# Altium PCB MiniSystem-Pcb-All.PcbDoc (part 7 of 8) (continued)
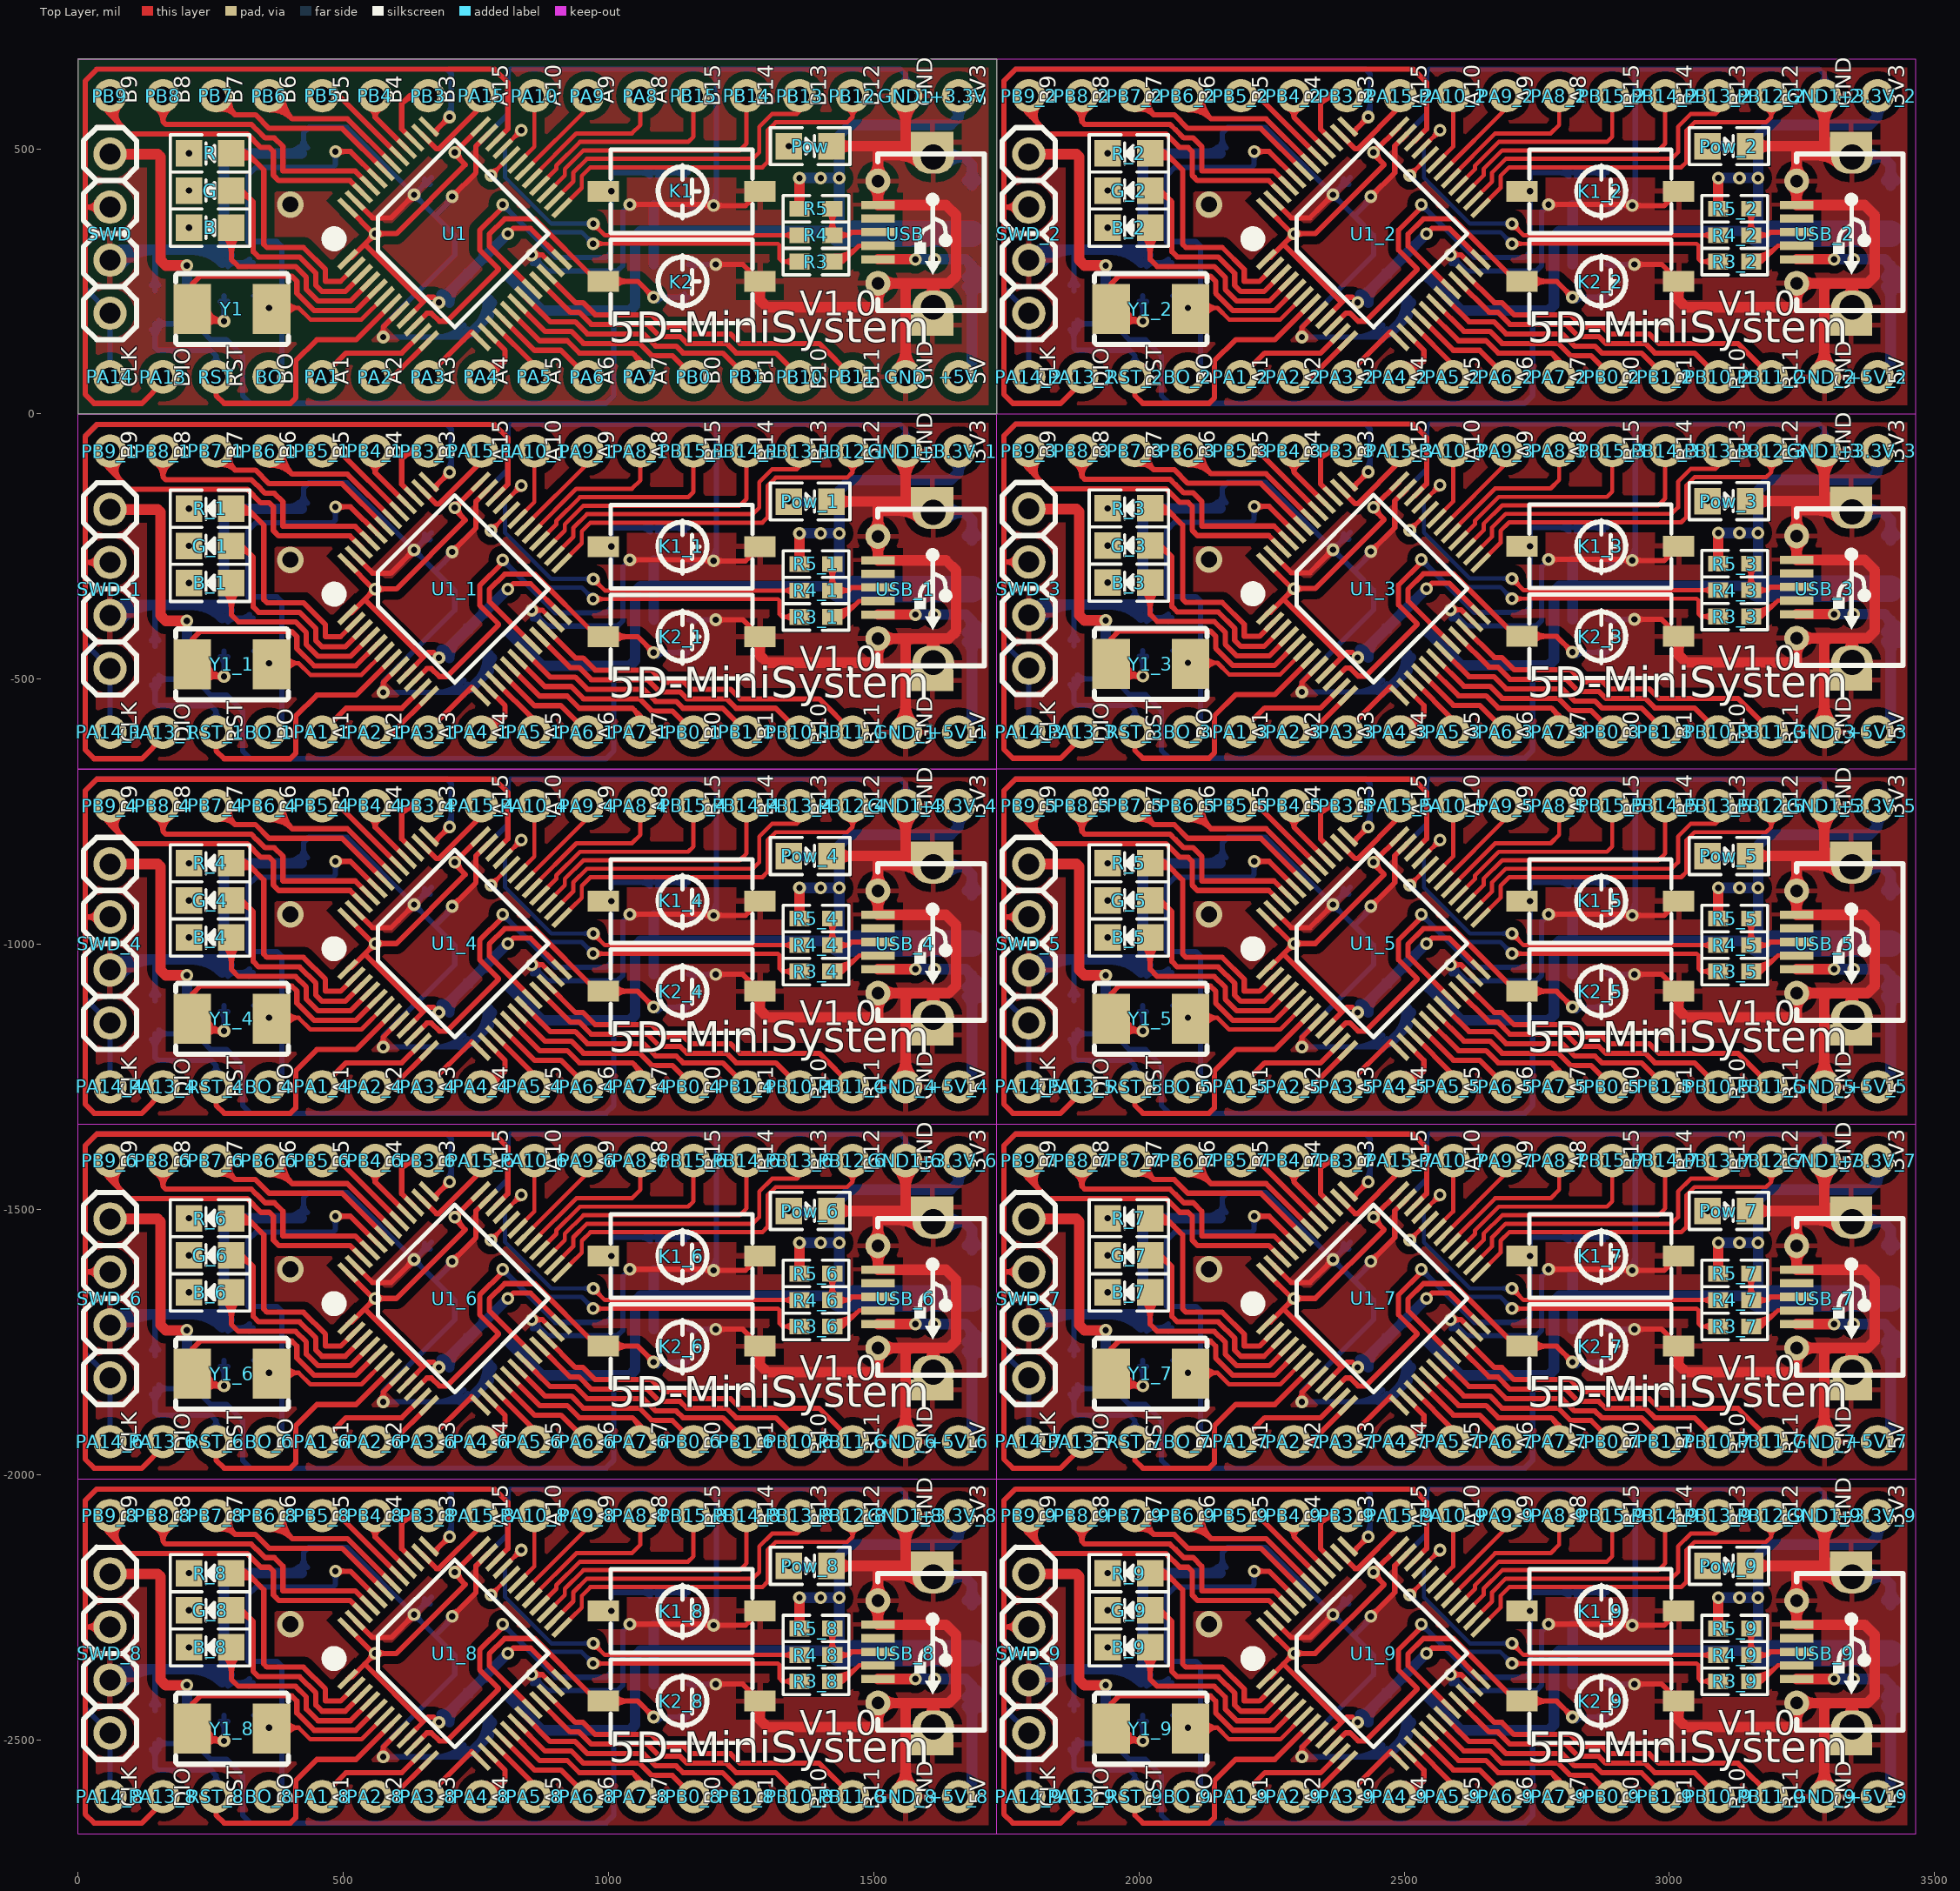
[diagram p0: Top Layer view]
## Nets (pads, with @x,y where several pads share a name; then routed paths per layer and width w, separated by ;. In a path a pad name is that pad's centre, name@x,y a point inside that pad or via, vN(x,y) a via of type N, cw(c..) or ccw(c..) an arc to the next point about the centre after c; other vN are vias at no path point) (continued)
2435.78,-2113.67 v1(2432.28,-2117.17) ; 1792.28,-1937.87 1792.28,-1817.87 1745.28,-1770.87 1745.28,-1379.87 1767.28,-1357.87 2427.28,-1357.87 2435.78,-1366.37 2435.78,-1444.38 v1(2432.28,-1447.87) ; 1792.28,-1268.58 1792.28,-1148.58 1745.28,-1101.58 1745.28,-710.58 1767.28,-688.58 2427.28,-688.58 2435.78,-697.08 2435.78,-775.09 v1(2432.28,-778.58) ; 1792.28,-599.29 1792.28,-479.29 1745.28,-432.29 1745.28,-41.29 1767.28,-19.29 2427.28,-19.29 2435.78,-27.79 2435.78,-105.8 v1(2432.28,-109.29) ; 1792.28,70 1792.28,190 1745.28,237 1745.28,628 1767.28,650 2427.28,650 2435.78,641.5 2435.78,563.5 v1(2432.28,560) ; 1870.21,-2518.24 cw(c1853.14,-2535.31) 1877.28,-2535.31 cw(c1901.43,-2535.31) 1884.35,-2518.24 ; 1870.21,-2434.09 ccw(c1853.14,-2417.02) 1877.28,-2417.02 ccw(c1901.43,-2417.02) 1884.35,-2434.09 ; 1870.21,-1848.95 cw(c1853.14,-1866.02) 1877.28,-1866.02 cw(c1901.43,-1866.02) 1884.35,-1848.95 ; 1870.21,-1764.8 ccw(c1853.14,-1747.73) 1877.28,-1747.73 ccw(c1901.43,-1747.73) 1884.35,-1764.8 ; 1870.21,-1179.65 cw(c1853.14,-1196.72) 1877.28,-1196.72 cw(c1901.43,-1196.72) 1884.35,-1179.65 ; 1870.21,-1095.51 ccw(c1853.14,-1078.44) 1877.28,-1078.44 ccw(c1901.43,-1078.44) 1884.35,-1095.51 ; 1870.21,-510.36 cw(c1853.14,-527.43) 1877.28,-527.43 cw(c1901.43,-527.43) 1884.35,-510.36 ; 1870.21,-426.22 ccw(c1853.14,-409.15) 1877.28,-409.15 ccw(c1901.43,-409.15) 1884.35,-426.22 ; 1870.21,158.93 cw(c1853.14,141.86) 1877.28,141.86 cw(c1901.43,141.86) 1884.35,158.93 ; 1870.21,243.07 ccw(c1853.14,260.14) 1877.28,260.14 ccw(c1901.43,260.14) 1884.35,243.07 ; 1877.28,-2445.17 1877.28,-2367.17 ; 1877.28,-1775.87 1877.28,-1697.87 ; 1877.28,-1106.58 1877.28,-1028.58 ; 1877.28,-437.29 1877.28,-359.29 ; 1877.28,232 1877.28,310 ; 1884.35,-2514.24 cw(c1901.43,-2531.31) 1901.43,-2507.17 cw(c1901.43,-2483.02) 1884.35,-2500.09 ; 1884.35,-1844.95 cw(c1901.43,-1862.02) 1901.43,-1837.87 cw(c1901.43,-1813.73) 1884.35,-1830.8 ; 1884.35,-1175.65 cw(c1901.43,-1192.72) 1901.43,-1168.58 cw(c1901.43,-1144.44) 1884.35,-1161.51 ; 1884.35,-506.36 cw(c1901.43,-523.43) 1901.43,-499.29 cw(c1901.43,-475.15) 1884.35,-492.22 ; 1884.35,162.93 cw(c1901.43,145.86) 1901.43,170 cw(c1901.43,194.14) 1884.35,177.07 ; 1930.21,-2514.24 ccw(c1913.14,-2531.31) 1913.14,-2507.17 ccw(c1913.14,-2483.02) 1930.21,-2500.09 ; 1930.21,-1844.95 ccw(c1913.14,-1862.02) 1913.14,-1837.87 ccw(c1913.14,-1813.73) 1930.21,-1830.8 ; 1930.21,-1175.65 ccw(c1913.14,-1192.72) 1913.14,-1168.58 ccw(c1913.14,-1144.44) 1930.21,-1161.51 ; 1930.21,-506.36 ccw(c1913.14,-523.43) 1913.14,-499.29 ccw(c1913.14,-475.15) 1930.21,-492.22 ; 1930.21,162.93 ccw(c1913.14,145.86) 1913.14,170 ccw(c1913.14,194.14) 1930.21,177.07 ; 1937.28,-2507.17 1877.28,-2507.17 1877.28,-2552.17 1882.28,-2557.17 1982.28,-2557.17 1992.28,-2567.17 ; 1937.28,-2445.17 1965.28,-2445.17 1967.28,-2447.17 1967.28,-2522.17 1982.28,-2537.17 2012.28,-2537.17 2042.28,-2567.17 2042.28,-2642.17 2057.28,-2657.17 2727.28,-2657.17 2742.28,-2642.17 2742.28,-2482.17 ; 1937.28,-1837.87 1877.28,-1837.87 1877.28,-1882.87 1882.28,-1887.87 1982.28,-1887.87 1992.28,-1897.87 1992.28,-1937.87 ; 1937.28,-1775.87 1965.28,-1775.87 1967.28,-1777.87 1967.28,-1852.87 1982.28,-1867.87 2012.28,-1867.87 2042.28,-1897.87 2042.28,-1972.87 2057.28,-1987.87 2727.28,-1987.87 2742.28,-1972.87 2742.28,-1812.87 ; 1937.28,-1168.58 1877.28,-1168.58 1877.28,-1213.58 1882.28,-1218.58 1982.28,-1218.58 1992.28,-1228.58 ; 1937.28,-1106.58 1965.28,-1106.58 1967.28,-1108.58 1967.28,-1183.58 1982.28,-1198.58 2012.28,-1198.58 2042.28,-1228.58 2042.28,-1303.58 2057.28,-1318.58 2727.28,-1318.58 2742.28,-1303.58 2742.28,-1143.58 ; 1937.28,-499.29 1877.28,-499.29 1877.28,-544.29 1882.28,-549.29 1982.28,-549.29 1992.28,-559.29 ; 1937.28,-437.29 1965.28,-437.29 1967.28,-439.29 1967.28,-514.29 1982.28,-529.29 2012.28,-529.29 2042.28,-559.29 2042.28,-634.29 2057.28,-649.29 2727.28,-649.29 2742.28,-634.29 2742.28,-474.29 ; 1937.28,170 1877.28,170 1877.28,125 1882.28,120 1982.28,120 1992.28,110 ; 1937.28,232 1965.28,232 1967.28,230 1967.28,155 1982.28,140 2012.28,140 2042.28,110 2042.28,35 2057.28,20 2727.28,20 2742.28,35 2742.28,195 ; 1944.35,-2452.24 cw(c1961.43,-2469.31) 1961.43,-2445.17 cw(c1961.43,-2421.02) 1944.35,-2438.09 ; 1944.35,-1782.95 cw(c1961.43,-1800.02) 1961.43,-1775.87 cw(c1961.43,-1751.73) 1944.35,-1768.8 ; 1944.35,-1113.65 cw(c1961.43,-1130.72) 1961.43,-1106.58 cw(c1961.43,-1082.44) 1944.35,-1099.51 ; 1944.35,-444.36 cw(c1961.43,-461.43) 1961.43,-437.29 cw(c1961.43,-413.15) 1944.35,-430.22 ; 1944.35,224.93 cw(c1961.43,207.86) 1961.43,232 cw(c1961.43,256.14) 1944.35,239.07 ; 1981.95,-2582.77 ccw(c1975.34,-2567.17) 1992.28,-2567.17 ; 1981.95,-1913.48 ccw(c1975.34,-1897.88) 1992.28,-1897.88 ccw(c2009.23,-1897.88) 2002.62,-1913.48 ; 1981.95,-1244.19 ccw(c1975.34,-1228.58) 1992.28,-1228.58 ; 1981.95,-574.89 ccw(c1975.34,-559.29) 1992.28,-559.29 ; 1981.95,94.4 ccw(c1975.34,110) 1992.28,110 ; 1992.28,-2607.17 1992.28,-2567.17 ; 1992.28,-1268.58 1992.28,-1228.58 ; 1992.28,-599.29 1992.28,-559.29 ; 1992.28,70 1992.28,110 ; 2000.21,-2465.24 cw(c1983.14,-2482.31) 2007.28,-2482.31 cw(c2031.43,-2482.31) 2014.35,-2465.24 ; 2000.21,-1795.95 cw(c1983.14,-1813.02) 2007.28,-1813.02 cw(c2031.43,-1813.02) 2014.35,-1795.95 ; 2000.21,-1126.65 cw(c1983.14,-1143.72) 2007.28,-1143.72 cw(c2031.43,-1143.72) 2014.35,-1126.65 ; 2000.21,-457.36 cw(c1983.14,-474.43) 2007.28,-474.43 cw(c2031.43,-474.43) 2014.35,-457.36 ; 2000.21,211.93 cw(c1983.14,194.86) 2007.28,194.86 cw(c2031.43,194.86) 2014.35,211.93 ; v1@2002.33,-2497.22 ccw(c1990.38,-2485.27) 2007.28,-2485.27 ccw(c2024.18,-2485.27) v1@2012.23,-2497.22 ; v1@2002.33,-1827.92 ccw(c1990.38,-1815.97) 2007.28,-1815.97 ccw(c2024.18,-1815.97) v1@2012.23,-1827.92 ; v1@2002.33,-1158.63 ccw(c1990.38,-1146.68) 2007.28,-1146.68 ccw(c2024.18,-1146.68) v1@2012.23,-1158.63 ; v1@2002.33,-489.34 ccw(c1990.38,-477.39) 2007.28,-477.39 ccw(c2024.18,-477.39) v1@2012.23,-489.34 ; v1@2002.33,179.95 ccw(c1990.38,191.9) 2007.28,191.9 ccw(c2024.18,191.9) v1@2012.23,179.95 ; 2002.62,-2582.77 cw(c2009.23,-2567.17) 1992.28,-2567.17 ; 2002.62,-1244.19 cw(c2009.23,-1228.58) 1992.28,-1228.58 ; 2002.62,-574.89 cw(c2009.23,-559.29) 1992.28,-559.29 ; 2002.62,94.4 cw(c2009.23,110) 1992.28,110 ; v1(2007.28,-2502.17) 2007.28,-2454.17 ; 2007.28,-2392.17 2062.28,-2392.17 ; v1(2007.28,-1832.87) 2007.28,-1784.87 ; 2007.28,-1722.87 2062.28,-1722.87 ; v1(2007.28,-1163.58) 2007.28,-1115.58 ; 2007.28,-1053.58 2062.28,-1053.58 ; v1(2007.28,-494.29) 2007.28,-446.29 ; 2007.28,-384.29 2062.28,-384.29 ; v1(2007.28,175) 2007.28,223 ; 2007.28,285 2062.28,285 ; 2014.35,-2399.24 cw(c2031.43,-2416.31) 2031.43,-2392.17 cw(c2031.43,-2368.02) 2014.35,-2385.09 ; 2014.35,-1729.95 cw(c2031.43,-1747.02) 2031.43,-1722.87 cw(c2031.43,-1698.73) 2014.35,-1715.8 ; 2014.35,-1060.65 cw(c2031.43,-1077.72) 2031.43,-1053.58 cw(c2031.43,-1029.44) 2014.35,-1046.51 ; 2014.35,-391.36 cw(c2031.43,-408.43) 2031.43,-384.29 cw(c2031.43,-360.15) 2014.35,-377.22 ; 2014.35,277.93 cw(c2031.43,260.86) 2031.43,285 cw(c2031.43,309.14) 2014.35,292.07 ; 2055.21,-2399.24 ccw(c2038.14,-2416.31) 2038.14,-2392.17 ccw(c2038.14,-2368.02) 2055.21,-2385.09 ; 2055.21,-1729.95 ccw(c2038.14,-1747.02) 2038.14,-1722.87 ccw(c2038.14,-1698.73) 2055.21,-1715.8 ; 2055.21,-1060.65 ccw(c2038.14,-1077.72) 2038.14,-1053.58 ccw(c2038.14,-1029.44) 2055.21,-1046.51 ; 2055.21,-391.36 ccw(c2038.14,-408.43) 2038.14,-384.29 ccw(c2038.14,-360.15) 2055.21,-377.22 ; 2055.21,277.93 ccw(c2038.14,260.86) 2038.14,285 ccw(c2038.14,309.14) 2055.21,292.07 ; 2092.28,-2607.17 2116.28,-2583.17 2116.28,-2361.17 2107.28,-2352.17 2052.28,-2352.17 2052.28,-2227.17 2067.28,-2212.17 2212.28,-2212.17 2217.28,-2207.17 v1(2217.28,-2182.17) ; 2092.28,-1937.87 2116.28,-1913.87 2116.28,-1691.87 2107.28,-1682.87 2052.28,-1682.87 2052.28,-1557.87 2067.28,-1542.87 2212.28,-1542.87 2217.28,-1537.87 v1(2217.28,-1512.87) ; 2092.28,-1268.58 2116.28,-1244.58 2116.28,-1022.58 2107.28,-1013.58 2052.28,-1013.58 2052.28,-888.58 2067.28,-873.58 2212.28,-873.58 2217.28,-868.58 v1(2217.28,-843.58) ; 2092.28,-599.29 2116.28,-575.29 2116.28,-353.29 2107.28,-344.29 2052.28,-344.29 2052.28,-219.29 2067.28,-204.29 2212.28,-204.29 2217.28,-199.29 v1(2217.28,-174.29) ; 2092.28,70 2116.28,94 2116.28,316 2107.28,325 2052.28,325 2052.28,450 2067.28,465 2212.28,465 2217.28,470 v1(2217.28,495) ; 2150.21,-2175.09 ccw(c2133.14,-2158.02) 2157.28,-2158.02 ccw(c2181.43,-2158.02) 2164.35,-2175.09 ; 2150.21,-1505.8 ccw(c2133.14,-1488.73) 2157.28,-1488.73 ccw(c2181.43,-1488.73) 2164.35,-1505.8 ; 2150.21,-836.51 ccw(c2133.14,-819.44) 2157.28,-819.44 ccw(c2181.43,-819.44) 2164.35,-836.51 ; 2150.21,-167.22 ccw(c2133.14,-150.15) 2157.28,-150.15 ccw(c2181.43,-150.15) 2164.35,-167.22 ; 2150.21,502.07 ccw(c2133.14,519.14) 2157.28,519.14 ccw(c2181.43,519.14) 2164.35,502.07 ; 2153.58,-2185.87 2157.28,-2182.17 2157.28,-2147.17 2167.28,-2137.17 2238.99,-2137.17 v1(2365.64,-2263.81) ; 2153.58,-1516.57 2157.28,-1512.87 2157.28,-1477.87 2167.28,-1467.87 2238.99,-1467.87 v1(2365.64,-1594.52) ; 2153.58,-847.28 2157.28,-843.58 2157.28,-808.58 2167.28,-798.58 2238.99,-798.58 v1(2365.64,-925.23) ; 2153.58,-177.99 2157.28,-174.29 2157.28,-139.29 2167.28,-129.29 2238.99,-129.29 v1(2365.64,-255.94) ; 2153.58,491.3 2157.28,495 2157.28,530 2167.28,540 2238.99,540 v1(2365.64,413.36) ; v1@2212.33,-2187.12 cw(c2200.38,-2199.06) 2217.28,-2199.06 cw(c2234.18,-2199.06) v1@2222.23,-2187.12 ; v1@2212.33,-1517.82 cw(c2200.38,-1529.77) 2217.28,-1529.77 cw(c2234.18,-1529.77) v1@2222.23,-1517.82 ; v1@2212.33,-848.53 cw(c2200.38,-860.48) 2217.28,-860.48 cw(c2234.18,-860.48) v1@2222.23,-848.53 ; v1@2212.33,-179.24 cw(c2200.38,-191.19) 2217.28,-191.19 cw(c2234.18,-191.19) v1@2222.23,-179.24 ; v1@2212.33,490.05 cw(c2200.38,478.1) 2217.28,478.1 cw(c2234.18,478.1) v1@2222.23,490.05 ; v1@2302.33,-2527.22 ccw(c2290.38,-2515.27) 2307.28,-2515.27 ccw(c2324.18,-2515.27) 2312.23,-2527.22 ccw(c2324.18,-2515.27) 2324.18,-2532.17 ccw(c2324.18,-2549.06) v1@2312.23,-2537.12 ; v1@2302.33,-1857.92 ccw(c2290.38,-1845.97) 2307.28,-1845.97 ccw(c2324.18,-1845.97) 2312.23,-1857.92 ccw(c2324.18,-1845.97) 2324.18,-1862.87 ccw(c2324.18,-1879.77) v1@2312.23,-1867.82 ; v1@2302.33,-1188.63 ccw(c2290.38,-1176.68) 2307.28,-1176.68 ccw(c2324.18,-1176.68) 2312.23,-1188.63 ccw(c2324.18,-1176.68) 2324.18,-1193.58 ccw(c2324.18,-1210.48) v1@2312.23,-1198.53 ; v1@2302.33,-519.34 ccw(c2290.38,-507.39) 2307.28,-507.39 ccw(c2324.18,-507.39) 2312.23,-519.34 ccw(c2324.18,-507.39) 2324.18,-524.29 ccw(c2324.18,-541.19) v1@2312.23,-529.24 ; v1@2302.33,149.95 ccw(c2290.38,161.9) 2307.28,161.9 ccw(c2324.18,161.9) 2312.23,149.95 ccw(c2324.18,161.9) 2324.18,145 ccw(c2324.18,128.1) v1@2312.23,140.05 ; 2336.12,-2293.32 v1(2365.64,-2263.81) ; 2336.12,-1624.03 v1(2365.64,-1594.52) ; 2336.12,-954.74 v1(2365.64,-925.23) ; 2336.12,-285.45 v1(2365.64,-255.94) ; 2336.12,383.84 v1(2365.64,413.36) ; 2385.61,-2233.83 cw(c2361.47,-2233.83) 2378.54,-2250.91 cw(c2395.61,-2267.98) 2395.61,-2243.83 ; 2385.61,-1564.54 cw(c2361.47,-1564.54) 2378.54,-1581.61 cw(c2395.61,-1598.69) 2395.61,-1574.54 ; 2385.61,-895.25 cw(c2361.47,-895.25) 2378.54,-912.32 cw(c2395.61,-929.39) 2395.61,-905.25 ; 2385.61,-225.96 cw(c2361.47,-225.96) 2378.54,-243.03 cw(c2395.61,-260.1) 2395.61,-235.96 ; 2385.61,443.33 cw(c2361.47,443.33) 2378.54,426.26 cw(c2395.61,409.19) 2395.61,433.33 ; 2398.44,-2231.01 v1(2365.64,-2263.81) ; 2398.44,-1561.71 v1(2365.64,-1594.52) ; 2398.44,-892.42 v1(2365.64,-925.23) ; 2398.44,-223.13 v1(2365.64,-255.94) ; 2398.44,446.16 v1(2365.64,413.36) ; 2405.21,-2532.17 ccw(c2405.21,-2455.09) 2459.71,-2509.59 ; 2405.21,-1862.87 ccw(c2405.21,-1785.8) 2459.71,-1840.3 ; 2405.21,-1193.58 ccw(c2405.21,-1116.51) 2459.71,-1171.01 ; 2405.21,-524.29 ccw(c2405.21,-447.22) 2459.71,-501.72 ; 2405.21,145 ccw(c2405.21,222.07) 2459.71,167.57 ; v1(2412.28,-2467.17) v1@2414.78,-2464.67 ; v1(2412.28,-1797.87) v1@2414.78,-1795.37 ; v1(2412.28,-1128.58) v1@2414.78,-1126.08 ; v1(2412.28,-459.29) v1@2414.78,-456.79 ; v1(2412.28,210) v1@2414.78,212.5 ; 2421.8,-2287.65 ccw(c2401.31,-2267.17) v1@2430.28,-2267.17 ; 2421.8,-1618.36 ccw(c2401.31,-1597.87) v1@2430.28,-1597.87 ; 2421.8,-949.07 ccw(c2401.31,-928.58) v1@2430.28,-928.58 ; 2421.8,-279.78 ccw(c2401.31,-259.29) v1@2430.28,-259.29 ; 2421.8,389.51 ccw(c2401.31,410) v1@2430.28,410 ; v1@2427.33,-2112.22 ccw(c2406.94,-2091.83) 2435.78,-2091.83 ; v1@2427.33,-1442.92 ccw(c2406.94,-1422.53) 2435.78,-1422.53 ; v1@2427.33,-773.63 ccw(c2406.94,-753.24) 2435.78,-753.24 ; v1@2427.33,-104.34 ccw(c2406.94,-83.95) 2435.78,-83.95 ; v1@2427.33,564.95 ccw(c2406.94,585.34) 2435.78,585.34 ; 2429.35,-2532.17 ccw(c2429.35,-2479.24) 2466.78,-2516.66 ; 2429.35,-1862.87 ccw(c2429.35,-1809.94) 2466.78,-1847.37 ; 2429.35,-1193.58 ccw(c2429.35,-1140.65) 2466.78,-1178.08 ; 2429.35,-524.29 ccw(c2429.35,-471.36) 2466.78,-508.79 ; 2429.35,145 ccw(c2429.35,197.93) 2466.78,160.5 ; v1@2437.28,-2272.17 2405.64,-2303.81 ; v1(2437.28,-2267.17) 2482.28,-2222.17 2482.28,-2172.17 2542.28,-2112.17 2542.28,-2032.17 2547.28,-2027.17 2937.28,-2027.17 ; v1@2437.28,-2260.17 ccw(c2437.28,-2243.27) 2449.23,-2255.22 ccw(c2461.18,-2267.17) v1@2444.28,-2267.17 ; v1@2437.28,-1602.87 2405.64,-1634.52 ; v1(2437.28,-1597.87) 2482.28,-1552.87 2482.28,-1502.87 2542.28,-1442.87 2542.28,-1362.87 2547.28,-1357.87 2937.28,-1357.87 ; v1@2437.28,-1590.87 ccw(c2437.28,-1573.97) 2449.23,-1585.92 ccw(c2461.18,-1597.87) v1@2444.28,-1597.87 ; v1@2437.28,-933.58 2405.64,-965.23 ; v1(2437.28,-928.58) 2482.28,-883.58 2482.28,-833.58 2542.28,-773.58 2542.28,-693.58 2547.28,-688.58 2937.28,-688.58 ; v1@2437.28,-921.58 ccw(c2437.28,-904.68) 2449.23,-916.63 ccw(c2461.18,-928.58) v1@2444.28,-928.58 ; v1@2437.28,-264.29 2405.64,-295.94 ; v1(2437.28,-259.29) 2482.28,-214.29 2482.28,-164.29 2542.28,-104.29 2542.28,-24.29 2547.28,-19.29 2937.28,-19.29 ; v1@2437.28,-252.29 ccw(c2437.28,-235.39) 2449.23,-247.34 ccw(c2461.18,-259.29) v1@2444.28,-259.29 ; v1@2437.28,405 2405.64,373.36 ; v1(2437.28,410) 2482.28,455 2482.28,505 2542.28,565 2542.28,645 2547.28,650 2937.28,650 ; v1@2437.28,417 ccw(c2437.28,433.9) 2449.23,421.95 ccw(c2461.18,410) v1@2444.28,410 ; 2445.92,-2532.17 cw(c2445.92,-2551.66) 2459.71,-2537.88 ; 2445.92,-1862.87 cw(c2445.92,-1882.37) 2459.71,-1868.58 ; 2445.92,-1193.58 cw(c2445.92,-1213.08) 2459.71,-1199.29 ; 2445.92,-524.29 cw(c2445.92,-543.79) 2459.71,-530 ; 2445.92,145 cw(c2445.92,125.5) 2459.71,139.29 ; 2462.28,-2417.17 2502.28,-2377.17 ; 2462.28,-2407.17 ccw(c2462.28,-2383.02) 2479.35,-2400.09 ccw(c2496.43,-2417.17) 2472.28,-2417.17 ; 2462.28,-1747.87 2502.28,-1707.87 ; 2462.28,-1737.87 ccw(c2462.28,-1713.73) 2479.35,-1730.8 ccw(c2496.43,-1747.87) 2472.28,-1747.87 ; 2462.28,-1078.58 2502.28,-1038.58 ; 2462.28,-1068.58 ccw(c2462.28,-1044.44) 2479.35,-1061.51 ccw(c2496.43,-1078.58) 2472.28,-1078.58 ; 2462.28,-409.29 2502.28,-369.29 ; 2462.28,-399.29 ccw(c2462.28,-375.15) 2479.35,-392.22 ccw(c2496.43,-409.29) 2472.28,-409.29 ; 2462.28,260 2502.28,300 ; 2462.28,270 ccw(c2462.28,294.14) 2479.35,277.07 ccw(c2496.43,260) 2472.28,260 ; 2473.85,-2523.73 2465.42,-2532.17 v1(2307.28,-2532.17) 2307.28,-2512.17 2442.28,-2377.17 2442.28,-2340.46 2405.64,-2303.81 ; 2473.85,-1854.44 2465.42,-1862.87 v1(2307.28,-1862.87) 2307.28,-1842.87 2442.28,-1707.87 2442.28,-1671.16 2405.64,-1634.52 ; 2473.85,-1185.15 2465.42,-1193.58 v1(2307.28,-1193.58) 2307.28,-1173.58 2442.28,-1038.58 2442.28,-1001.87 2405.64,-965.23 ; 2473.85,-515.86 2465.42,-524.29 v1(2307.28,-524.29) 2307.28,-504.29 2442.28,-369.29 2442.28,-332.58 2405.64,-295.94 ; 2473.85,153.43 2465.42,145 v1(2307.28,145) 2307.28,165 2442.28,300 2442.28,336.71 2405.64,373.36 ; 2492.28,-2377.17 cw(c2468.14,-2377.17) 2485.21,-2394.24 cw(c2502.28,-2411.31) 2502.28,-2387.17 ; 2492.28,-1707.87 cw(c2468.14,-1707.87) 2485.21,-1724.95 cw(c2502.28,-1742.02) 2502.28,-1717.87 ; 2492.28,-1038.58 cw(c2468.14,-1038.58) 2485.21,-1055.65 cw(c2502.28,-1072.72) 2502.28,-1048.58 ; 2492.28,-369.29 cw(c2468.14,-369.29) 2485.21,-386.36 cw(c2502.28,-403.43) 2502.28,-379.29 ; 2492.28,300 cw(c2468.14,300) 2485.21,282.93 cw(c2502.28,265.86) 2502.28,290 ; v1@2532.28,-2289.17 cw(c2532.28,-2306.06) 2544.23,-2294.12 cw(c2556.18,-2282.17) v1@2539.28,-2282.17 ; v1(2532.28,-2282.17) 2632.28,-2382.17 2727.28,-2382.17 2737.28,-2372.17 v1(2737.28,-2257.17) 2737.28,-2222.17 2817.56,-2222.17 2882.56,-2222.17 ; v1@2532.28,-1619.87 cw(c2532.28,-1636.77) 2544.23,-1624.82 cw(c2556.18,-1612.87) v1@2539.28,-1612.87 ; v1(2532.28,-1612.87) 2632.28,-1712.87 2727.28,-1712.87 2737.28,-1702.87 v1(2737.28,-1587.87) 2737.28,-1552.87 2817.56,-1552.87 2882.56,-1552.87 ; v1@2532.28,-950.58 cw(c2532.28,-967.48) 2544.23,-955.53 cw(c2556.18,-943.58) v1@2539.28,-943.58 ; v1(2532.28,-943.58) 2632.28,-1043.58 2727.28,-1043.58 2737.28,-1033.58 v1(2737.28,-918.58) 2737.28,-883.58 2817.56,-883.58 2882.56,-883.58 ; v1@2532.28,-281.29 cw(c2532.28,-298.19) 2544.23,-286.24 cw(c2556.18,-274.29) v1@2539.28,-274.29 ; v1(2532.28,-274.29) 2632.28,-374.29 2727.28,-374.29 2737.28,-364.29 v1(2737.28,-249.29) 2737.28,-214.29 2817.56,-214.29 2882.56,-214.29 ; v1@2532.28,388 cw(c2532.28,371.1) 2544.23,383.05 cw(c2556.18,395) v1@2539.28,395 ; v1(2532.28,395) 2632.28,295 2727.28,295 2737.28,305 v1(2737.28,420) 2737.28,455 2817.56,455 2882.56,455 ; v1@2587.28,-2384.17 cw(c2587.28,-2401.06) 2599.23,-2389.12 cw(c2611.18,-2377.17) v1@2594.28,-2377.17 ; v1@2587.28,-1714.87 cw(c2587.28,-1731.77) 2599.23,-1719.82 cw(c2611.18,-1707.87) v1@2594.28,-1707.87 ; v1@2587.28,-1045.58 cw(c2587.28,-1062.48) 2599.23,-1050.53 cw(c2611.18,-1038.58) v1@2594.28,-1038.58 ; v1@2587.28,-376.29 cw(c2587.28,-393.19) 2599.23,-381.24 cw(c2611.18,-369.29) v1@2594.28,-369.29 ; v1@2587.28,293 cw(c2587.28,276.1) 2599.23,288.05 cw(c2611.18,300) v1@2594.28,300 ; v1@2588.62,-2378.51 2617.28,-2407.17 2749.28,-2407.17 2759.28,-2397.17 2759.28,-2295.17 v1(2772.28,-2282.17) ; v1@2588.62,-1709.21 2617.28,-1737.87 2749.28,-1737.87 2759.28,-1727.87 2759.28,-1625.87 v1(2772.28,-1612.87) ; v1@2588.62,-1039.92 2617.28,-1068.58 2749.28,-1068.58 2759.28,-1058.58 2759.28,-956.58 v1(2772.28,-943.58) ; v1@2588.62,-370.63 2617.28,-399.29 2749.28,-399.29 2759.28,-389.29 2759.28,-287.29 v1(2772.28,-274.29) ; v1@2588.62,298.66 2617.28,270 2749.28,270 2759.28,280 2759.28,382 v1(2772.28,395) ; 2588.95,-2393.83 cw(c2588.95,-2430.05) 2614.56,-2404.44 ; 2588.95,-1724.54 cw(c2588.95,-1760.76) 2614.56,-1735.15 ; 2588.95,-1055.25 cw(c2588.95,-1091.46) 2614.56,-1065.86 ; 2588.95,-385.96 cw(c2588.95,-422.17) 2614.56,-396.57 ; 2588.95,283.33 cw(c2588.95,247.12) 2614.56,272.72 ; 2598.95,-2383.83 ccw(c2611.02,-2383.83) 2602.49,-2392.37 ; 2598.95,-1714.54 ccw(c2611.02,-1714.54) 2602.49,-1723.08 ; 2598.95,-1045.25 ccw(c2611.02,-1045.25) 2602.49,-1053.79 ; 2598.95,-375.96 ccw(c2611.02,-375.96) 2602.49,-384.5 ; 2598.95,293.33 ccw(c2611.02,293.33) 2602.49,284.8 ; v1@2732.33,-2262.12 cw(c2720.38,-2274.06) 2737.28,-2274.06 cw(c2754.18,-2274.06) v1@2742.23,-2262.12 ; v1@2732.33,-2252.22 ccw(c2720.38,-2240.27) 2737.28,-2240.27 ccw(c2754.18,-2240.27) v1@2742.23,-2252.22 ; v1@2732.33,-1592.82 cw(c2720.38,-1604.77) 2737.28,-1604.77 cw(c2754.18,-1604.77) v1@2742.23,-1592.82 ; v1@2732.33,-1582.92 ccw(c2720.38,-1570.97) 2737.28,-1570.97 ccw(c2754.18,-1570.97) v1@2742.23,-1582.92 ; v1@2732.33,-923.53 cw(c2720.38,-935.48) 2737.28,-935.48 cw(c2754.18,-935.48) v1@2742.23,-923.53 ; v1@2732.33,-913.63 ccw(c2720.38,-901.68) 2737.28,-901.68 ccw(c2754.18,-901.68) v1@2742.23,-913.63 ; v1@2732.33,-254.24 cw(c2720.38,-266.19) 2737.28,-266.19 cw(c2754.18,-266.19) v1@2742.23,-254.24 ; v1@2732.33,-244.34 ccw(c2720.38,-232.39) 2737.28,-232.39 ccw(c2754.18,-232.39) v1@2742.23,-244.34 ; v1@2732.33,415.05 cw(c2720.38,403.1) 2737.28,403.1 cw(c2754.18,403.1) v1@2742.23,415.05 ; v1@2732.33,424.95 ccw(c2720.38,436.9) 2737.28,436.9 ccw(c2754.18,436.9) v1@2742.23,424.95 ; 2810.49,-2229.24 ccw(c2793.42,-2246.31) 2793.42,-2222.17 ccw(c2793.42,-2198.02) 2810.49,-2215.09 ; 2810.49,-1559.95 ccw(c2793.42,-1577.02) 2793.42,-1552.87 ccw(c2793.42,-1528.73) 2810.49,-1545.8 ; 2810.49,-890.65 ccw(c2793.42,-907.72) 2793.42,-883.58 ccw(c2793.42,-859.44) 2810.49,-876.51 ; 2810.49,-221.36 ccw(c2793.42,-238.43) 2793.42,-214.29 ccw(c2793.42,-190.15) 2810.49,-207.22 ; 2810.49,447.93 ccw(c2793.42,430.86) 2793.42,455 ccw(c2793.42,479.14) 2810.49,462.07 ; v1@2817.56,-2457.17 2882.56,-2457.17 ; v1@2817.56,-1787.87 2882.56,-1787.87 ; v1@2817.56,-1118.58 2882.56,-1118.58 ; v1@2817.56,-449.29 2882.56,-449.29 ; v1@2817.56,220 2882.56,220 ; v1@2822.23,-2462.12 cw(c2834.18,-2474.06) 2834.18,-2457.17 cw(c2834.18,-2440.27) v1@2822.23,-2452.22 ; v1@2822.23,-1792.82 cw(c2834.18,-1804.77) 2834.18,-1787.87 cw(c2834.18,-1770.97) v1@2822.23,-1782.92 ; v1@2822.23,-1123.53 cw(c2834.18,-1135.48) 2834.18,-1118.58 cw(c2834.18,-1101.68) v1@2822.23,-1113.63 ; v1@2822.23,-454.24 cw(c2834.18,-466.19) 2834.18,-449.29 cw(c2834.18,-432.39) v1@2822.23,-444.34 ; v1@2822.23,215.05 cw(c2834.18,203.1) 2834.18,220 cw(c2834.18,236.9) v1@2822.23,224.95 ; v1@2824.63,-2464.24 cw(c2841.7,-2481.31) 2841.7,-2457.17 cw(c2841.7,-2433.02) v1@2824.63,-2450.09 ; 2824.63,-2229.24 cw(c2841.7,-2246.31) 2841.7,-2222.17 cw(c2841.7,-2198.02) 2824.63,-2215.09 ; v1@2824.63,-1794.95 cw(c2841.7,-1812.02) 2841.7,-1787.87 cw(c2841.7,-1763.73) v1@2824.63,-1780.8 ; 2824.63,-1559.95 cw(c2841.7,-1577.02) 2841.7,-1552.87 cw(c2841.7,-1528.73) 2824.63,-1545.8 ; v1@2824.63,-1125.65 cw(c2841.7,-1142.72) 2841.7,-1118.58 cw(c2841.7,-1094.44) v1@2824.63,-1111.51 ; 2824.63,-890.65 cw(c2841.7,-907.72) 2841.7,-883.58 cw(c2841.7,-859.44) 2824.63,-876.51 ; v1@2824.63,-456.36 cw(c2841.7,-473.43) 2841.7,-449.29 cw(c2841.7,-425.15) v1@2824.63,-442.22 ; 2824.63,-221.36 cw(c2841.7,-238.43) 2841.7,-214.29 cw(c2841.7,-190.15) 2824.63,-207.22 ; v1@2824.63,212.93 cw(c2841.7,195.86) 2841.7,220 cw(c2841.7,244.14) v1@2824.63,227.07 ; 2824.63,447.93 cw(c2841.7,430.86) 2841.7,455 cw(c2841.7,479.14) 2824.63,462.07 ; 2875.49,-2464.24 ccw(c2858.42,-2481.31) 2858.42,-2457.17 ccw(c2858.42,-2433.02) 2875.49,-2450.09 ; 2875.49,-2229.24 ccw(c2858.42,-2246.31) 2858.42,-2222.17 ccw(c2858.42,-2198.02) 2875.49,-2215.09 ; 2875.49,-1794.95 ccw(c2858.42,-1812.02) 2858.42,-1787.87 ccw(c2858.42,-1763.73) 2875.49,-1780.8 ; 2875.49,-1559.95 ccw(c2858.42,-1577.02) 2858.42,-1552.87 ccw(c2858.42,-1528.73) 2875.49,-1545.8 ; 2875.49,-1125.65 ccw(c2858.42,-1142.72) 2858.42,-1118.58 ccw(c2858.42,-1094.44) 2875.49,-1111.51 ; 2875.49,-890.65 ccw(c2858.42,-907.72) 2858.42,-883.58 ccw(c2858.42,-859.44) 2875.49,-876.51 ; 2875.49,-456.36 ccw(c2858.42,-473.43) 2858.42,-449.29 ccw(c2858.42,-425.15) 2875.49,-442.22 ; 2875.49,-221.36 ccw(c2858.42,-238.43) 2858.42,-214.29 ccw(c2858.42,-190.15) 2875.49,-207.22 ; 2875.49,212.93 ccw(c2858.42,195.86) 2858.42,220 ccw(c2858.42,244.14) 2875.49,227.07 ; 2875.49,447.93 ccw(c2858.42,430.86) 2858.42,455 ccw(c2858.42,479.14) 2875.49,462.07 ; 2882.56,-2395.17 v1(2934.28,-2395.17) ; 2882.56,-2284.17 v1(2930.28,-2284.17) ; 2882.56,-1725.87 v1(2934.28,-1725.87) ; 2882.56,-1614.87 v1(2930.28,-1614.87) ; 2882.56,-1056.58 v1(2934.28,-1056.58) ; 2882.56,-945.58 v1(2930.28,-945.58) ; 2882.56,-387.29 v1(2934.28,-387.29) ; 2882.56,-276.29 v1(2930.28,-276.29) ; 2882.56,282 v1(2934.28,282) ; 2882.56,393 v1(2930.28,393) ; 2889.63,-2402.24 cw(c2906.7,-2419.31) 2906.7,-2395.17 cw(c2906.7,-2371.02) 2889.63,-2388.09 ; 2889.63,-2291.24 cw(c2906.7,-2308.31) 2906.7,-2284.17 cw(c2906.7,-2260.02) 2889.63,-2277.09 ; 2889.63,-1732.95 cw(c2906.7,-1750.02) 2906.7,-1725.87 cw(c2906.7,-1701.73) 2889.63,-1718.8 ; 2889.63,-1621.95 cw(c2906.7,-1639.02) 2906.7,-1614.87 cw(c2906.7,-1590.73) 2889.63,-1607.8 ; 2889.63,-1063.65 cw(c2906.7,-1080.72) 2906.7,-1056.58 cw(c2906.7,-1032.44) 2889.63,-1049.51 ; 2889.63,-952.65 cw(c2906.7,-969.72) 2906.7,-945.58 cw(c2906.7,-921.44) 2889.63,-938.51 ; 2889.63,-394.36 cw(c2906.7,-411.43) 2906.7,-387.29 cw(c2906.7,-363.15) 2889.63,-380.22 ; 2889.63,-283.36 cw(c2906.7,-300.43) 2906.7,-276.29 cw(c2906.7,-252.15) 2889.63,-269.22 ; 2889.63,274.93 cw(c2906.7,257.86) 2906.7,282 cw(c2906.7,306.14) 2889.63,289.07 ; 2889.63,385.93 cw(c2906.7,368.86) 2906.7,393 cw(c2906.7,417.14) 2889.63,400.07 ; v1@2925.33,-2289.12 ccw(c2913.38,-2301.06) 2913.38,-2284.17 ccw(c2913.38,-2267.27) 2925.33,-2279.22 ccw(c2900.12,-2254) 2935.78,-2254 ; v1@2925.33,-1619.82 ccw(c2913.38,-1631.77) 2913.38,-1614.87 ccw(c2913.38,-1597.97) 2925.33,-1609.92 ccw(c2900.12,-1584.71) 2935.78,-1584.71 ; v1@2925.33,-950.53 ccw(c2913.38,-962.48) 2913.38,-945.58 ccw(c2913.38,-928.68) 2925.33,-940.63 ccw(c2900.12,-915.41) 2935.78,-915.41 ; v1@2925.33,-281.24 ccw(c2913.38,-293.19) 2913.38,-276.29 ccw(c2913.38,-259.39) 2925.33,-271.34 ccw(c2900.12,-246.12) 2935.78,-246.12 ; v1@2925.33,388.05 ccw(c2913.38,376.1) 2913.38,393 ccw(c2913.38,409.9) 2925.33,397.95 ccw(c2900.12,423.17) 2935.78,423.17 ; v1@2929.33,-2400.12 ccw(c2917.38,-2412.06) 2917.38,-2395.17 ccw(c2917.38,-2378.27) v1@2929.33,-2390.22 ; v1@2929.33,-1730.82 ccw(c2917.38,-1742.77) 2917.38,-1725.87 ccw(c2917.38,-1708.97) v1@2929.33,-1720.92 ; v1@2929.33,-1061.53 ccw(c2917.38,-1073.48) 2917.38,-1056.58 ccw(c2917.38,-1039.68) v1@2929.33,-1051.63 ; v1@2929.33,-392.24 ccw(c2917.38,-404.19) 2917.38,-387.29 ccw(c2917.38,-370.39) v1@2929.33,-382.34 ; v1@2929.33,277.05 ccw(c2917.38,265.1) 2917.38,282 ccw(c2917.38,298.9) v1@2929.33,286.95 ; v1@2935.78,-2278.67 2935.78,-2028.67 2937.28,-2027.17 ; v1@2935.78,-1609.38 2935.78,-1359.38 2937.28,-1357.87 ; v1@2935.78,-940.09 2935.78,-690.09 2937.28,-688.58 ; v1@2935.78,-270.8 2935.78,-20.8 2937.28,-19.29 ; v1@2935.78,398.5 2935.78,648.5 2937.28,650 ; 3281.95,-2052.77 ccw(c3275.34,-2037.17) 3292.28,-2037.17 ; 3281.95,-1383.48 ccw(c3275.34,-1367.88) 3292.28,-1367.88 ; 3281.95,-714.19 ccw(c3275.34,-698.58) 3292.28,-698.58 ; 3281.95,-44.89 ccw(c3275.34,-29.29) 3292.28,-29.29 ; 3281.95,624.4 ccw(c3275.34,640) 3292.28,640 ; 3292.28,-2077.17 3292.28,-2037.17 ; 3292.28,-2070.5 ccw(c3309.84,-2070.5) 3301.58,-2085.99 ; 3292.28,-2053.83 ccw(c3318.73,-2053.83) 3306.28,-2077.17 ; 3292.28,-1407.87 3292.28,-1367.87 3282.28,-1357.87 2937.28,-1357.87 ; 3292.28,-1401.21 ccw(c3309.84,-1401.21) 3301.58,-1416.7 ; 3292.28,-1384.54 ccw(c3318.73,-1384.54) 3306.28,-1407.87 ; 3292.28,-738.58 3292.28,-698.58 ; 3292.28,-731.92 ccw(c3309.84,-731.92) 3301.58,-747.41 ; 3292.28,-715.25 ccw(c3318.73,-715.25) 3306.28,-738.58 ; 3292.28,-69.29 3292.28,-29.29 ; 3292.28,-62.62 ccw(c3309.84,-62.62) 3301.58,-78.11 ; 3292.28,-45.96 ccw(c3318.73,-45.96) 3306.28,-69.29 ; 3292.28,600 3292.28,640 ; 3292.28,606.67 ccw(c3309.84,606.67) 3301.58,591.18 ; 3292.28,623.33 ccw(c3318.73,623.33) 3306.28,600 ; 3302.62,-2052.77 cw(c3309.23,-2037.17) 3292.28,-2037.17 ; 3302.62,-1383.48 cw(c3309.23,-1367.88) 3292.28,-1367.88 ; 3302.62,-714.19 cw(c3309.23,-698.58) 3292.28,-698.58 ; 3302.62,-44.89 cw(c3309.23,-29.29) 3292.28,-29.29 ; 3302.62,624.4 cw(c3309.23,640) 3292.28,640 ; 3310.99,-2068.34 cw(c3327.61,-2037.17) 3292.28,-2037.17 ; 3310.99,-1399.05 cw(c3327.61,-1367.88) 3292.28,-1367.88 ; 3310.99,-729.76 cw(c3327.61,-698.58) 3292.28,-698.58 ; 3310.99,-60.47 cw(c3327.61,-29.29) 3292.28,-29.29 ; 3310.99,608.82 cw(c3327.61,640) 3292.28,640 ; v1(633.35,-2263.81) 673.35,-2303.81 ; v1(633.35,-1594.52) 673.35,-1634.52 ; v1(633.35,-925.23) 673.35,-965.23 ; v1(633.35,-256.64) 673.35,-296.64 ; 1205,-2027.17 1550,-2027.17 1560,-2037.17 ; 1205,-688.58 1550,-688.58 1560,-698.58 ; 1205,-20 1550,-20 1560,-30 ; v1(2365.64,-2263.81) 2405.64,-2303.81 ; v1(2365.64,-1594.52) 2405.64,-1634.52 ; v1(2365.64,-925.23) 2405.64,-965.23 ; v1(2365.64,-255.94) 2405.64,-295.94 ; v1(2365.64,413.36) 2405.64,373.36 ; 2937.28,-2027.17 3282.28,-2027.17 3292.28,-2037.17 ; 2937.28,-688.58 3282.28,-688.58 3292.28,-698.58 ; 2937.28,-19.29 3282.28,-19.29 3292.28,-29.29 ; 2937.28,650 3282.28,650 3292.28,640